# Altium PCB PCB_v1_premove.PcbDoc (part 1 of 4) (continued)
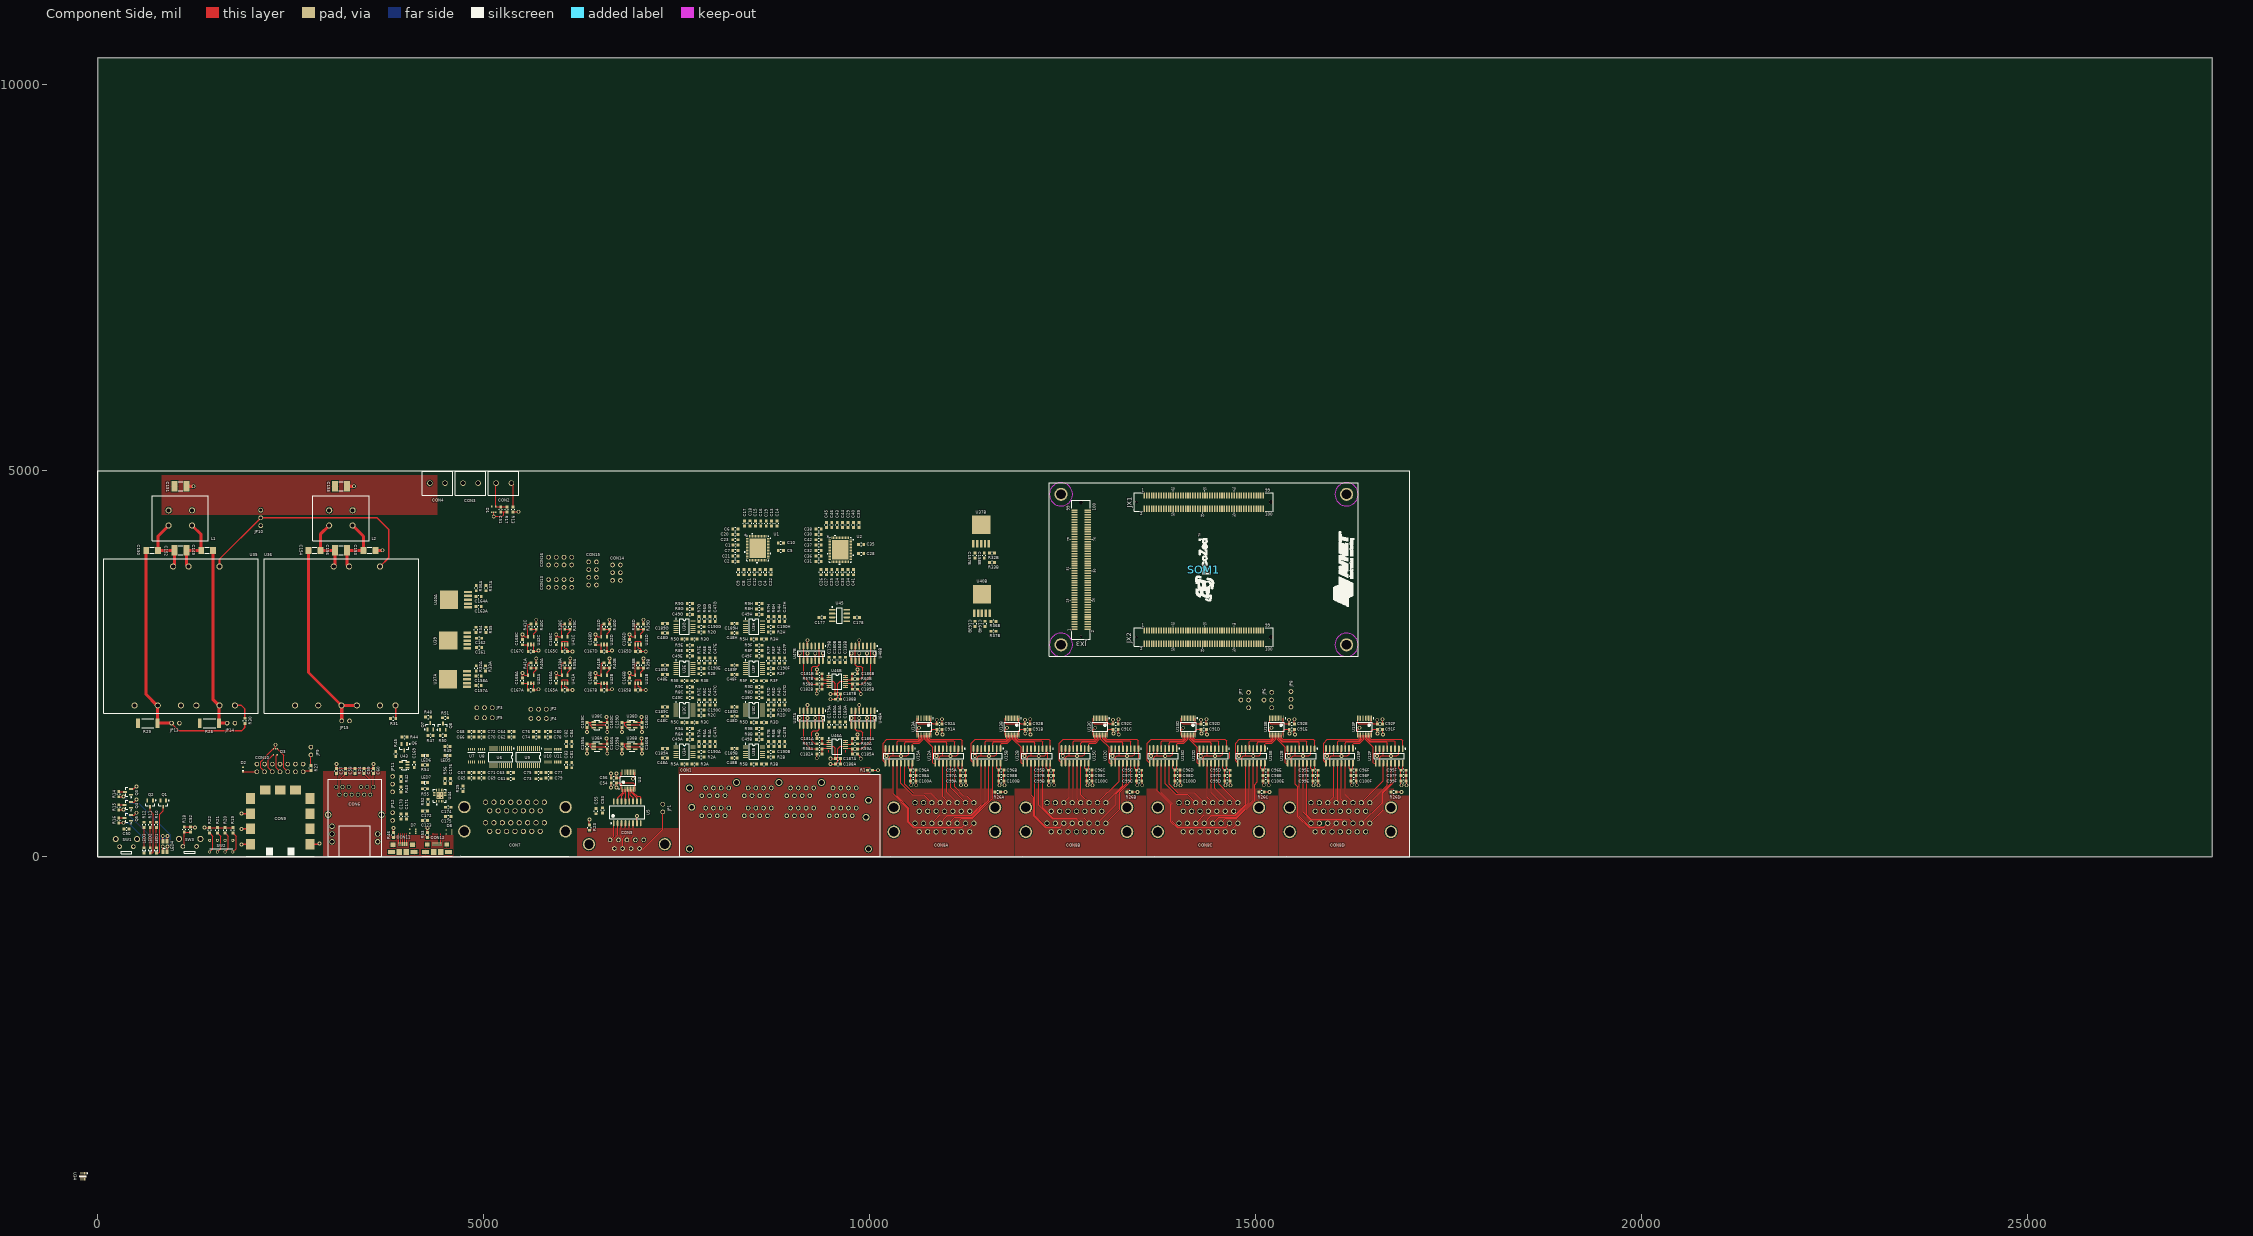
[diagram p0: Component Side view]
## Design rules (kind name [scope] priority, off if disabled: settings) (continued)
RoomDefinition AnalogSigCond1 [InComponentClass('AnalogSigCond1')] p52: confinementstyle=ConfineIn formatcopy=TRUE lockcomponents=FALSE outline 7200,1160 8100,1160 8100,1700 7200,1700
RoutingVias [All] p1: holewidth=28 width=50 viastyle="Through Hole" minholewidth=28 minwidth=50 maxholewidth=28 maxwidth=50
SolderMaskExpansion [All] p1: expansion=4
UnRoutedNet [All] p1: checkbadconnections=TRUE
Width [All] p1: maxlimit=40 minlimit=7 preferedwidth=10 minimp=50.000000 maximp=50.000000 favimp=50.000000
25 further rules are at their usual default settings.

## Classes and differential pairs
channel class Power_LDO_15V: U_Power_LDO_15V_A U_Power_LDO_15V_B U_Power_LDO_15V_C U_Power_LDO_15V_D
channel class Power_LDO_5V: U_Power_LDO_5V U_Power_LDO_5V_VIN_HDR
channel class Power_LDO_2V5: U_Power_LDO_2V5_A U_Power_LDO_2V5_B U_Power_LDO_2V5_C U_Power_LDO_2V5_D
channel class Power_LDO_1V8: U_Power_LDO_1V8 U_Power_LDO_1V8_VCCO
channel class LVHV8ChanTranslation: U_LVHV8ChanTranslation1 U_LVHV8ChanTranslation2 U_LVHV8ChanTranslation3 U_LVHV8ChanTranslation4 U_LVHV8ChanTranslation5 U_LVHV8ChanTranslation6
channel class InverterConnector: InverterConnector1AB InverterConnector2AB InverterConnector3AB InverterConnector4AB
channel class AnalogSigCond2: AnalogSigCond9_12 AnalogSigCond13_16
channel class AnalogSigCond1: AnalogSigCond1 AnalogSigCond2 AnalogSigCond3 AnalogSigCond4 AnalogSigCond5 AnalogSigCond6 AnalogSigCond7 AnalogSigCond8
channel class 8ChanDirTranslation: U_8ChanDirTranslation1 U_8ChanDirTranslation2 U_8ChanDirTranslation3 U_8ChanDirTranslation4
component class U_USB_UART: C172 C173 C174 C175 C176 CON12 D8 LED5 LED6 LED7 Q7 Q8 R47 R48 R49 R50 R51 R52 R53 R54 R55 R56 U44
component class U_USB_OTG: C169 C170 C171 CON11 D7 JP11 JP12 Q6 R42 R43 R44 R45 R46 U43
component class U_Power: C149 C150 C151 C152 C153 C154 C155 C156 CON13 CON14 CON15 CON16 JP10 JP13 JP14 JP15 L1 R28 R29 R30 R31 U34 U36
component class U_Power_REF_2V5: C177 C178 U45
component class U_Power_LDO_15V_D: C165D C166D C167D C168D R38D R39D R40D R41D U41D U42D
component class U_Power_LDO_15V_C: C165C C166C C167C C168C R38C R39C R40C R41C U41C U42C
component class U_Power_LDO_15V_B: C165B C166B C167B C168B R38B R39B R40B R41B U41B U42B
component class U_Power_LDO_15V_A: C165A C166A C167A C168A R38A R39A R40A R41A U41A U42A
component class U_Power_LDO_5V: C163A C164A R36A R37A U40A
component class U_Power_LDO_5V_VIN_HDR: C163B C164B R36B R37B U40B
component class U_Power_LDO_3V3: C161 C162 R34 R35 U39
component class U_Power_LDO_2V5_D: C159D C160D U38D
component class U_Power_LDO_2V5_C: C159C C160C U38C
component class U_Power_LDO_2V5_B: C159B C160B U38B
component class U_Power_LDO_2V5_A: C159A C160A U38A
component class U_Power_LDO_1V8: C157A C158A R32A R33A U37A
component class U_Power_LDO_1V8_VCCO: C157B C158B R32B R33B U37B
component class U_PicoZed: SOM1 T1
component class U_LVHV8ChanTranslation6: C91F C92F C95F C96F C97F C98F C99F C100F U12F U13F U15F
component class U_LVHV8ChanTranslation5: C91E C92E C95E C96E C97E C98E C99E C100E U12E U13E U15E
component class U_LVHV8ChanTranslation4: C91D C92D C95D C96D C97D C98D C99D C100D U12D U13D U15D
component class U_LVHV8ChanTranslation3: C91C C92C C95C C96C C97C C98C C99C C100C U12C U13C U15C
component class U_LVHV8ChanTranslation2: C91B C92B C95B C96B C97B C98B C99B C100B U12B U13B U15B
component class U_LVHV8ChanTranslation1: C91A C92A C95A C96A C97A C98A C99A C100A U12A U13A U15A
component class U_JTAG: CON9 CON10 D2 D3 JP9 R27
component class U_InverterTranslation: JP8
component class U_InverterConnectors: JP6 JP7
component class U_GPIO: C61 C62 C63 C64 C65 C66 C67 C68 C69 C70 C71 C72 C73 C74 C75 C76 C77 C78 C79 C80 C81 C82 C83 C84 CON7 JP2 JP3 JP4 JP5 R25 U6 U7 U8 U9 U10 U11
component class U_Gb_Ethernet: C57 C58 C59 C60 CON6 R24
component class U_Encoder: C53 C54 C55 C56 CON5 JP1 R23 U4 U5
component class U_BoardInterface: C50 C52 LED1 LED2 LED3 LED4 Q1 Q2 Q3 Q4 Q5 R10 R11 R12 R14 R15 R16 R18 R19 R20 R21 R22 SW1 SW2 SW3
component class U_AnalogConnectors: CON1 R1
component class U_AnalogADCs: C1 C2 C3 C4 C5 C6 C7 C8 C9 C10 C11 C12 C13 C14 C15 C16 C17 C18 C19 C20 C21 C22 C23 C24 C25 C26 C27 C28 C29 C30 C31 C32 C33 C34 C35 C36 C37 C38 C39 C40 C41 C42 C43 C44 C45 C46 U1 U2
component class U_8ChanDirTranslation4: C85D C86D C87D C88D U14D
component class U_8ChanDirTranslation3: C85C C86C C87C C88C U14C
component class U_8ChanDirTranslation2: C85B C86B C87B C88B U14B
component class U_8ChanDirTranslation1: C85A C86A C87A C88A U14A
component class InverterConnector4AB: CON8D R26D
component class InverterConnector3AB: CON8C R26C
component class InverterConnector2AB: CON8B R26B
component class InverterConnector1AB: R26A
component class AnalogSigCond13_16: C179B C180B C181B C182B C183B C184B C185B C186B C187B C188B R57B R58B R59B R60B U46B U47B U48B
component class AnalogSigCond9_12: C179A C180A C181A C182A C183A C184A C185A C186A C187A C188A R57A R58A R59A R60A U46A U47A U48A
component class AnalogSigCond8: C47H C48H C49H C189H C190H R2H R3H R4H R5H R6H R7H R8H R9H U3H
component class AnalogSigCond7: C47G C48G C49G C189G C190G R2G R3G R4G R5G R6G R7G R8G R9G U3G
component class AnalogSigCond6: C47F C48F C49F C189F C190F R2F R3F R4F R5F R6F R7F R8F R9F U3F
component class AnalogSigCond5: C47E C48E C49E C189E C190E R2E R3E R4E R5E R6E R7E R8E R9E U3E
component class AnalogSigCond4: C47D C48D C49D C189D C190D R2D R3D R4D R5D R6D R7D R8D R9D U3D
component class AnalogSigCond3: C47C C48C C49C C189C C190C R2C R3C R4C R5C R6C R7C R8C R9C U3C
component class AnalogSigCond2: C47B C48B C49B C189B C190B R2B R3B R4B R5B R6B R7B R8B R9B U3B
component class AnalogSigCond1: C47A C48A C49A C189A C190A R2A R3A R4A R5A R6A R7A R8A R9A U3A
differential pair USB_UART_D: +USB_UART_D_P -USB_UART_D_N
differential pair USB_OTG: +USB_OTG_P -USB_OTG_N
differential pair ETH_MD4: +ETH_MD4_P -ETH_MD4_N
differential pair ETH_MD3: +ETH_MD3_P -ETH_MD3_N
differential pair ETH_MD2: +ETH_MD2_P -ETH_MD2_N
differential pair ETH_MD1: +ETH_MD1_P -ETH_MD1_N

## Components (designator, comment, footprint, x,y, rotation, side; value= is the part's Value field where it differs from the comment)
C1 "Capacitor" 0603-CAP 8263.46,4036.54 r180 top value=100pF
C2 "Capacitor" 0603-CAP 8260,3826.54 r180 top value=100nF
C3 "Capacitor" 0603-CAP 8580,3686.54 r270 top value=10uF
C4 "Capacitor" 0603-CAP 8650,3686.54 r270 top value=0.1uF
C5 "Capacitor" 0603-CAP 8850,3966.54 r0 top value=0.1uF
C6 "Capacitor" 0603-CAP 8260,4246.54 r180 top value=100pF
C7 "Capacitor" 0603-CAP 8260,3966.54 r180 top value=100nF
C8 "Capacitor" 0603-CAP 8370,3686.54 r270 top value=10uF
C9 "Capacitor" 0603-CAP 8300,3686.54 r270 top value=0.1uF
C10 "Capacitor" 0603-CAP 8850,4066.54 r0 top value=0.1uF
C11 "Capacitor" 0603-CAP 8440,3686.54 r270 top value=100pF
C12 "Capacitor" 0603-CAP 8510,3686.54 r270 top value=100nF
C13 "Capacitor" 0603-CAP 8730,4316.54 r90 top value=10uF
C14 "Capacitor" 0603-CAP 8800,4316.54 r90 top value=0.1uF
C15 "Capacitor" 0603-CAP 8520,4316.54 r90 top value=100pF
C16 "Capacitor" 0603-CAP 8590,4316.54 r90 top value=100nF
C17 "Capacitor" 0603-CAP 8380,4316.54 r90 top value=10uF
C18 "Capacitor" 0603-CAP 8450,4320 r90 top value=0.1uF
C19 "Capacitor" 0603-CAP 8660,4316.54 r90 top value=10uF
C20 "Capacitor" 0603-CAP 8260,4176.54 r180 top value=10uF
C21 "Capacitor" 0603-CAP 8260,3896.54 r180 top value=10uF
C22 "Capacitor" 0603-CAP 8720,3686.54 r270 top value=10uF
C23 "Capacitor" 0603-CAP 8260,4106.54 r180 top value=1uF
C24 "Capacitor" 0603-CAP 9580,3686.54 r270 top value=100pF
C25 "Capacitor" 0603-CAP 9510,3686.54 r270 top value=100nF
C26 "Capacitor" 0603-CAP 9370,3686.54 r270 top value=10uF
C27 "Capacitor" 0603-CAP 9440,3686.54 r270 top value=0.1uF
C28 "Capacitor" 0603-CAP 9890,3926.54 r0 top value=0.1uF
C29 "Capacitor" 0603-CAP 9720,4296.54 r90 top value=10uF
C30 "Capacitor" 0603-CAP 9340,4176.54 r180 top value=10uF
C31 "Capacitor" 0603-CAP 9340,3826.54 r180 top value=100pF
C32 "Capacitor" 0603-CAP 9340,3966.54 r180 top value=100nF
C33 "Capacitor" 0603-CAP 9650,3686.54 r270 top value=10uF
C34 "Capacitor" 0603-CAP 9720,3686.54 r270 top value=0.1uF
C35 "Capacitor" 0603-CAP 9890,4046.54 r0 top value=0.1uF
C36 "Capacitor" 0603-CAP 9340,3896.55 r180 top value=10uF
C37 "Capacitor" 0603-CAP 9340,4036.54 r180 top value=100pF
C38 "Capacitor" 0603-CAP 9340,4246.54 r180 top value=100nF
C39 "Capacitor" 0603-CAP 9860,4296.54 r90 top value=10uF
C40 "Capacitor" 0603-CAP 9790,4296.54 r90 top value=0.1uF
C41 "Capacitor" 0603-CAP 9790,3686.54 r270 top value=10uF
C42 "Capacitor" 0603-CAP 9340,4106.54 r180 top value=1uF
C43 "Capacitor" 0603-CAP 9580,4296.54 r90 top value=100pF
C44 "Capacitor" 0603-CAP 9650,4296.54 r90 top value=100nF
C45 "Capacitor" 0603-CAP 9440,4296.54 r90 top value=10uF
C46 "Capacitor" 0603-CAP 9510,4296.54 r90 top value=0.1uF
C47A "Capacitor" 0603-CAP 8000,1460 r270 top value=1nF (schematic designator C47)
C47B "Capacitor" 0603-CAP 8900,1460 r270 top value=1nF (schematic designator C47)
C47C "Capacitor" 0603-CAP 8000,2000 r270 top value=1nF (schematic designator C47)
C47D "Capacitor" 0603-CAP 8900,2000 r270 top value=1nF (schematic designator C47)
C47E "Capacitor" 0603-CAP 8000,2540 r270 top value=1nF (schematic designator C47)
C47F "Capacitor" 0603-CAP 8900,2540 r270 top value=1nF (schematic designator C47)
C47G "Capacitor" 0603-CAP 8000,3080 r270 top value=1nF (schematic designator C47)
C47H "Capacitor" 0603-CAP 8900,3080 r270 top value=1nF (schematic designator C47)
C48A "Capacitor" 0603-CAP 7350,1280 r0 top value=32nF (schematic designator C48)
C48B "Capacitor" 0603-CAP 8250,1280 r0 top value=32nF (schematic designator C48)
C48C "Capacitor" 0603-CAP 7350,1820 r0 top value=32nF (schematic designator C48)
C48D "Capacitor" 0603-CAP 8250,1820 r0 top value=32nF (schematic designator C48)
C48E "Capacitor" 0603-CAP 7350,2360 r0 top value=32nF (schematic designator C48)
C48F "Capacitor" 0603-CAP 8250,2360 r0 top value=32nF (schematic designator C48)
C48G "Capacitor" 0603-CAP 7350,2900 r0 top value=32nF (schematic designator C48)
C48H "Capacitor" 0603-CAP 8250,2900 r0 top value=32nF (schematic designator C48)
C49A "Capacitor" 0603-CAP 7670,1520 r0 top value=1nF (schematic designator C49)
C49B "Capacitor" 0603-CAP 8570,1520 r0 top value=1nF (schematic designator C49)
C49C "Capacitor" 0603-CAP 7670,2060 r0 top value=1nF (schematic designator C49)
C49D "Capacitor" 0603-CAP 8570,2060 r0 top value=1nF (schematic designator C49)
C49E "Capacitor" 0603-CAP 7670,2600 r0 top value=1nF (schematic designator C49)
C49F "Capacitor" 0603-CAP 8570,2600 r0 top value=1nF (schematic designator C49)
C49G "Capacitor" 0603-CAP 7670,3140 r0 top value=1nF (schematic designator C49)
C49H "Capacitor" 0603-CAP 8570,3140 r0 top value=1nF (schematic designator C49)
C50 "Capacitor" 0603-CAP 370,360 r180 top value=100nF
C51 "Capacitor" 0603-CAP 5220,4500 r90 top value=100nF
C52 "Capacitor" 0603-CAP 1198.66,352.6 r270 top value=100nF
C53 "Capacitor" 0603-CAP 6540,600 r270 top value=1uF
C54 "Capacitor" 0603-CAP 6685,955 r180 top value=100nF
C55 "Capacitor" 0603-CAP 6455,590 r270 top value=100nF
C56 "Capacitor" 0603-CAP 6685,1020 r180 top value=100nF
C57 "Capacitor" 0603-CAP 3090,1110 r270 top value=0.1uF
C58 "Capacitor" 0603-CAP 3210,1110 r270 top value=0.1uF
C59 "Capacitor" 0603-CAP 3450,1110 r270 top value=0.1uF
C60 "Capacitor" 0603-CAP 3570,1110 r270 top value=0.1uF
C61 "Capacitor" 0603-CAP 5350,1010 r180 top value=1uF
C62 "Capacitor" 0603-CAP 5360,1550 r180 top value=1uF
C63 "Capacitor" 0603-CAP 5350,1090 r180 top value=100nF
C64 "Capacitor" 0603-CAP 5360,1620 r180 top value=100nF
C65 "Capacitor" 0603-CAP 4840,1020 r180 top value=1uF
C66 "Capacitor" 0603-CAP 4840,1550 r180 top value=1uF
C67 "Capacitor" 0603-CAP 4840,1090 r180 top value=100nF
C68 "Capacitor" 0603-CAP 4840,1620 r180 top value=100nF
C69 "Capacitor" 0603-CAP 4970,1020 r180 top value=1uF
C70 "Capacitor" 0603-CAP 4970,1550 r180 top value=1uF
C71 "Capacitor" 0603-CAP 4970,1090 r180 top value=100nF
C72 "Capacitor" 0603-CAP 4970,1620 r180 top value=100nF
C73 "Capacitor" 0603-CAP 5710,1010 r180 top value=1uF
C74 "Capacitor" 0603-CAP 5680,1550 r180 top value=1uF
C75 "Capacitor" 0603-CAP 5710,1090 r180 top value=100nF
C76 "Capacitor" 0603-CAP 5680,1620 r180 top value=100nF
C77 "Capacitor" 0603-CAP 5840,1090 r180 top value=1uF
C78 "Capacitor" 0603-CAP 5830,1550 r180 top value=1uF
C79 "Capacitor" 0603-CAP 5840,1020 r180 top value=100nF
C80 "Capacitor" 0603-CAP 5830,1620 r180 top value=100nF
C81 "Capacitor" 0603-CAP 6140,1186.54 r270 top value=1uF
C82 "Capacitor" 0603-CAP 6070,1460 r90 top value=1uF
C83 "Capacitor" 0603-CAP 6070,1190 r270 top value=100nF
C84 "Capacitor" 0603-CAP 6140,1460 r90 top value=100nF
C85A "Capacitor" 0603-CAP 14360,2340 r180 bottom value=1uF (schematic designator C85)
C85B "Capacitor" 0603-CAP 13790,2340 r180 bottom value=1uF (schematic designator C85)
C85C "Capacitor" 0603-CAP 13220,2340 r180 bottom value=1uF (schematic designator C85)
C85D "Capacitor" 0603-CAP 12650,2340 r180 bottom value=1uF (schematic designator C85)
C86A "Capacitor" 0603-CAP 14370,1940 r180 bottom value=1uF (schematic designator C86)
C86B "Capacitor" 0603-CAP 13800,1940 r180 bottom value=1uF (schematic designator C86)
C86C "Capacitor" 0603-CAP 13230,1940 r180 bottom value=1uF (schematic designator C86)
C86D "Capacitor" 0603-CAP 12660,1940 r180 bottom value=1uF (schematic designator C86)
C87A "Capacitor" 0603-CAP 14360,2410 r180 bottom value=100nF (schematic designator C87)
C87B "Capacitor" 0603-CAP 13790,2410 r180 bottom value=100nF (schematic designator C87)
C87C "Capacitor" 0603-CAP 13220,2410 r180 bottom value=100nF (schematic designator C87)
C87D "Capacitor" 0603-CAP 12650,2410 r180 bottom value=100nF (schematic designator C87)
C88A "Capacitor" 0603-CAP 14370,1860 r180 bottom value=100nF (schematic designator C88)
C88B "Capacitor" 0603-CAP 13800,1860 r180 bottom value=100nF (schematic designator C88)
C88C "Capacitor" 0603-CAP 13230,1860 r180 bottom value=100nF (schematic designator C88)
C88D "Capacitor" 0603-CAP 12660,1860 r180 bottom value=100nF (schematic designator C88)
C91A "Capacitor" 0603-CAP 10905,1650 r0 top value=100nF (schematic designator C91)
C91B "Capacitor" 0603-CAP 12046.54,1650 r0 top value=100nF (schematic designator C91)
C91C "Capacitor" 0603-CAP 13188.07,1650 r0 top value=100nF (schematic designator C91)
C91D "Capacitor" 0603-CAP 14329.61,1650 r0 top value=100nF (schematic designator C91)
C91E "Capacitor" 0603-CAP 15471.14,1650 r0 top value=100nF (schematic designator C91)
C91F "Capacitor" 0603-CAP 16612.68,1650 r0 top value=100nF (schematic designator C91)
C92A "Capacitor" 0603-CAP 10905,1720 r0 top value=100nF (schematic designator C92)
C92B "Capacitor" 0603-CAP 12046.54,1720 r0 top value=100nF (schematic designator C92)
C92C "Capacitor" 0603-CAP 13188.07,1720 r0 top value=100nF (schematic designator C92)
C92D "Capacitor" 0603-CAP 14329.61,1720 r0 top value=100nF (schematic designator C92)
C92E "Capacitor" 0603-CAP 15471.14,1720 r0 top value=100nF (schematic designator C92)
C92F "Capacitor" 0603-CAP 16612.68,1720 r0 top value=100nF (schematic designator C92)
C95A "Capacitor" 0603-CAP 11210,1120 r0 top value=1uF (schematic designator C95)
C95B "Capacitor" 0603-CAP 12351.54,1120 r0 top value=1uF (schematic designator C95)
C95C "Capacitor" 0603-CAP 13493.07,1120 r0 top value=1uF (schematic designator C95)
C95D "Capacitor" 0603-CAP 14634.61,1120 r0 top value=1uF (schematic designator C95)
C95E "Capacitor" 0603-CAP 15776.14,1120 r0 top value=1uF (schematic designator C95)
C95F "Capacitor" 0603-CAP 16917.68,1120 r0 top value=1uF (schematic designator C95)
C96A "Capacitor" 0603-CAP 10565,1121.02 r0 top value=1uF (schematic designator C96)
C96B "Capacitor" 0603-CAP 11706.54,1121.02 r0 top value=1uF (schematic designator C96)
C96C "Capacitor" 0603-CAP 12848.07,1121.02 r0 top value=1uF (schematic designator C96)
C96D "Capacitor" 0603-CAP 13989.61,1121.02 r0 top value=1uF (schematic designator C96)
C96E "Capacitor" 0603-CAP 15131.14,1121.02 r0 top value=1uF (schematic designator C96)
C96F "Capacitor" 0603-CAP 16272.68,1121.02 r0 top value=1uF (schematic designator C96)
C97A "Capacitor" 0603-CAP 11210,1050 r0 top value=100nF (schematic designator C97)
C97B "Capacitor" 0603-CAP 12351.54,1050 r0 top value=100nF (schematic designator C97)
C97C "Capacitor" 0603-CAP 13493.07,1050 r0 top value=100nF (schematic designator C97)
C97D "Capacitor" 0603-CAP 14634.61,1050 r0 top value=100nF (schematic designator C97)
C97E "Capacitor" 0603-CAP 15776.14,1050 r0 top value=100nF (schematic designator C97)
C97F "Capacitor" 0603-CAP 16917.68,1050 r0 top value=100nF (schematic designator C97)
C98A "Capacitor" 0603-CAP 10565,1051.02 r0 top value=100nF (schematic designator C98)
C98B "Capacitor" 0603-CAP 11706.54,1051.02 r0 top value=100nF (schematic designator C98)
C98C "Capacitor" 0603-CAP 12848.07,1051.02 r0 top value=100nF (schematic designator C98)
C98D "Capacitor" 0603-CAP 13989.61,1051.02 r0 top value=100nF (schematic designator C98)
C98E "Capacitor" 0603-CAP 15131.14,1051.02 r0 top value=100nF (schematic designator C98)
C98F "Capacitor" 0603-CAP 16272.68,1051.02 r0 top value=100nF (schematic designator C98)
C99A "Capacitor" 0603-CAP 11210,980 r0 top value=100nF (schematic designator C99)
C99B "Capacitor" 0603-CAP 12351.54,980 r0 top value=100nF (schematic designator C99)
C99C "Capacitor" 0603-CAP 13493.07,980 r0 top value=100nF (schematic designator C99)
C99D "Capacitor" 0603-CAP 14634.61,980 r0 top value=100nF (schematic designator C99)
C99E "Capacitor" 0603-CAP 15776.14,980 r0 top value=100nF (schematic designator C99)
C99F "Capacitor" 0603-CAP 16917.68,980 r0 top value=100nF (schematic designator C99)
C100A "Capacitor" 0603-CAP 10565,981.02 r0 top value=100nF (schematic designator C100)
C100B "Capacitor" 0603-CAP 11706.54,981.02 r0 top value=100nF (schematic designator C100)
C100C "Capacitor" 0603-CAP 12848.07,981.02 r0 top value=100nF (schematic designator C100)
C100D "Capacitor" 0603-CAP 13989.61,981.02 r0 top value=100nF (schematic designator C100)
C100E "Capacitor" 0603-CAP 15131.14,981.02 r0 top value=100nF (schematic designator C100)
C100F "Capacitor" 0603-CAP 16272.68,981.02 r0 top value=100nF (schematic designator C100)
C149 "Capacitor" 1808-CAP 1415.71,3969.99 r0 top value=1000pF
C150 "Capacitor" 1808-CAP 703.19,3969.99 r180 top value=1000pF
C151 "Capacitor" 1812-CAP 1069.17,4799.99 r180 top value=6.8uF
C152 "Capacitor" 1812-CAP 1069.17,3969.99 r180 top value=6.8uF
C153 "Capacitor" 1808-CAP 3519.17,3969.99 r0 top value=1000pF
C154 "Capacitor" 1808-CAP 2805.71,3969.99 r180 top value=1000pF
C155 "Capacitor" 1812-CAP 3149.17,4799.99 r180 top value=6.8uF
C156 "Capacitor" 1812-CAP 3149.17,3969.99 r180 top value=6.8uF
C157A "Capacitor" 0603-CAP 4933.46,2220 r0 top value=10uF (schematic designator C157)
C157B "Capacitor" 0603-CAP 11365,3903.94 r270 top value=10uF (schematic designator C157)
C158A "Capacitor" 0603-CAP 4933.46,2340 r0 top value=47uF (schematic designator C158)
C158B "Capacitor" 0603-CAP 11485,3903.94 r270 top value=47uF (schematic designator C158)
C159A "Capacitor" 0603-CAP 6340,1427.4 r270 top value=1uF (schematic designator C159)
C159B "Capacitor" 0603-CAP 6790,1427.4 r270 top value=1uF (schematic designator C159)
C159C "Capacitor" 0603-CAP 6340,1707.4 r270 top value=1uF (schematic designator C159)
C159D "Capacitor" 0603-CAP 6790,1707.4 r270 top value=1uF (schematic designator C159)
C160A "Capacitor" 0603-CAP 6600,1427.4 r270 top value=1uF (schematic designator C160)
C160B "Capacitor" 0603-CAP 7050,1427.4 r270 top value=1uF (schematic designator C160)
C160C "Capacitor" 0603-CAP 6600,1707.4 r270 top value=1uF (schematic designator C160)
C160D "Capacitor" 0603-CAP 7050,1707.4 r270 top value=1uF (schematic designator C160)
C161 "Capacitor" 0603-CAP 4940,2710 r0 top value=10uF
C162 "Capacitor" 0603-CAP 4940,2830 r0 top value=47uF
C163A "Capacitor" 0603-CAP 4933.46,3240 r0 top value=10uF (schematic designator C163)
C163B "Capacitor" 0603-CAP 11365,3017.6 r270 top value=10uF (schematic designator C163)
C164A "Capacitor" 0603-CAP 4933.46,3370 r0 top value=47uF (schematic designator C164)
C164B "Capacitor" 0603-CAP 11495,3017.6 r270 top value=47uF (schematic designator C164)
C165A "Capacitor" 0603-CAP 6050,2160 r180 top value=2.2uF (schematic designator C165)
C165B "Capacitor" 0603-CAP 7000,2160 r180 top value=2.2uF (schematic designator C165)
C165C "Capacitor" 0603-CAP 6050,2660 r180 top value=2.2uF (schematic designator C165)
C165D "Capacitor" 0603-CAP 7000,2660 r180 top value=2.2uF (schematic designator C165)
C166A "Capacitor" 0603-CAP 5940,2280 r90 top value=2.2uF (schematic designator C166)
C166B "Capacitor" 0603-CAP 6890,2280 r90 top value=2.2uF (schematic designator C166)
C166C "Capacitor" 0603-CAP 5940,2780 r90 top value=2.2uF (schematic designator C166)
C166D "Capacitor" 0603-CAP 6890,2780 r90 top value=2.2uF (schematic designator C166)
C167A "Capacitor" 0603-CAP 5610,2160 r180 top value=2.2uF (schematic designator C167)
C167B "Capacitor" 0603-CAP 6560,2160 r180 top value=2.2uF (schematic designator C167)
C167C "Capacitor" 0603-CAP 5610,2660 r180 top value=2.2uF (schematic designator C167)
C167D "Capacitor" 0603-CAP 6560,2660 r180 top value=2.2uF (schematic designator C167)
C168A "Capacitor" 0603-CAP 5500,2280 r270 top value=2.2uF (schematic designator C168)
C168B "Capacitor" 0603-CAP 6450,2280 r270 top value=2.2uF (schematic designator C168)
C168C "Capacitor" 0603-CAP 5500,2780 r270 top value=2.2uF (schematic designator C168)
C168D "Capacitor" 0603-CAP 6450,2780 r270 top value=2.2uF (schematic designator C168)
C169 "Capacitor" 0603-CAP 4100,1190 r270 top value=2.2uF
C170 "Capacitor" 0603-CAP 3930,520 r270 top value=100uF
C171 "Capacitor" 0603-CAP 4000,520 r270 top value=22uF
C172 "Capacitor" 0603-CAP 4240,590 r180 top value=0.1uF
C173 "Capacitor" 0603-CAP 4240,470 r180 top value=4.7uF
C174 "Capacitor" 0603-CAP 4540,640 r180 top value=0.1uF
C175 "Capacitor" 0603-CAP 4540,520 r180 top value=4.7uF
C176 "Capacitor" 0603-CAP 4570,980 r270 top value=0.1uF
C177 "Capacitor" 0603-CAP 9380,3100 r180 top value=1uF
C178 "Capacitor" 0603-CAP 9836.54,3100 r0 top value=2.2uF
C179A "Capacitor" 0603-CAP 9475,1710 r90 top value=1uF (schematic designator C179)
C179B "Capacitor" 0603-CAP 9475,2550 r90 top value=1uF (schematic designator C179)
C180A "Capacitor" 0603-CAP 9545,1710 r90 top value=1uF (schematic designator C180)
C180B "Capacitor" 0603-CAP 9545,2550 r90 top value=1uF (schematic designator C180)
C181A "Capacitor" 0603-CAP 9350,1530 r0 top value=32nF (schematic designator C181)
C181B "Capacitor" 0603-CAP 9350,2370 r0 top value=32nF (schematic designator C181)
C182A "Capacitor" 0603-CAP 9350,1330 r180 top value=32nF (schematic designator C182)
C182B "Capacitor" 0603-CAP 9350,2170 r180 top value=32nF (schematic designator C182)
C183A "Capacitor" 0603-CAP 9685,1710 r90 top value=1uF (schematic designator C183)
C183B "Capacitor" 0603-CAP 9685,2550 r90 top value=1uF (schematic designator C183)
C184A "Capacitor" 0603-CAP 9615,1710 r90 top value=1uF (schematic designator C184)
C184B "Capacitor" 0603-CAP 9615,2550 r90 top value=1uF (schematic designator C184)
C185A "Capacitor" 0603-CAP 9810,1330 r180 top value=32nF (schematic designator C185)
C185B "Capacitor" 0603-CAP 9810,2170 r180 top value=32nF (schematic designator C185)
C186A "Capacitor" 0603-CAP 9810,1530 r0 top value=32nF (schematic designator C186)
C186B "Capacitor" 0603-CAP 9810,2370 r0 top value=32nF (schematic designator C186)
C187A "Capacitor" 0603-CAP 9590,1270 r0 top value=1uF (schematic designator C187)
C187B "Capacitor" 0603-CAP 9590,2110 r0 top value=1uF (schematic designator C187)
C188A "Capacitor" 0603-CAP 9590,1200 r0 top value=1uF (schematic designator C188)
C188B "Capacitor" 0603-CAP 9590,2040 r0 top value=1uF (schematic designator C188)
C189A "Capacitor" 0603-CAP 7350,1400 r180 top value=1uF (schematic designator C189)
C189B "Capacitor" 0603-CAP 8250,1400 r180 top value=1uF (schematic designator C189)
C189C "Capacitor" 0603-CAP 7350,1940 r180 top value=1uF (schematic designator C189)
C189D "Capacitor" 0603-CAP 8250,1940 r180 top value=1uF (schematic designator C189)
C189E "Capacitor" 0603-CAP 7350,2480 r180 top value=1uF (schematic designator C189)
C189F "Capacitor" 0603-CAP 8250,2480 r180 top value=1uF (schematic designator C189)
C189G "Capacitor" 0603-CAP 7350,3020 r180 top value=1uF (schematic designator C189)
C189H "Capacitor" 0603-CAP 8250,3020 r180 top value=1uF (schematic designator C189)
C190A "Capacitor" 0603-CAP 7820,1360 r0 top value=1uF (schematic designator C190)
C190B "Capacitor" 0603-CAP 8720,1360 r0 top value=1uF (schematic designator C190)
C190C "Capacitor" 0603-CAP 7820,1900 r0 top value=1uF (schematic designator C190)
C190D "Capacitor" 0603-CAP 8720,1900 r0 top value=1uF (schematic designator C190)
C190E "Capacitor" 0603-CAP 7820,2440 r0 top value=1uF (schematic designator C190)
C190F "Capacitor" 0603-CAP 8720,2440 r0 top value=1uF (schematic designator C190)
C190G "Capacitor" 0603-CAP 7820,2980 r0 top value=1uF (schematic designator C190)
C190H "Capacitor" 0603-CAP 8720,2980 r0 top value=1uF (schematic designator C190)
CON1 "5569257-1" 5569257-1 7775.83,280.59 r0 top
CON2 "ScrewTerminal_1x2" 1935161 5258.43,4840 r0 top
CON3 "ScrewTerminal_1x2" 1935161 4830,4840 r180 top
CON4 "ScrewTerminal_1x2" 1935161 4400,4840 r0 top
CON5 "A-DF 09 A/KG-T2S" "A-DF 09 A/KG-T2S" 6855,161.73 r0 top
CON6 "L829-1J1T-43" L829-1J1T-43 3330,803.46 r180 top
CON7 "178-015-513R571" 178-015-513R571 5404.5,706 r0 top
CON8A "178-015-513R571" 178-015-513R571 10970,700 r0 top (schematic designator CON8)
CON8B "178-015-513R571" 178-015-513R571 12680,700 r0 top (schematic designator CON8)
CON8C "178-015-513R571" 178-015-513R571 14390,700 r0 top (schematic designator CON8)
CON8D "178-015-513R571" 178-015-513R571 16100,700 r0 top (schematic designator CON8)
CON9 "JTAG-SMT2" JTAG-SMT2 2747.72,458.43 r90 top
CON10 "JTAG" PIN_HEADER_2x7 2360,1200 r0 top
CON11 "1981584-1" 1981584-1 3951.69,164.37 r0 top
CON12 "1981584-1" 1981584-1 4394.72,165.31 r0 top
CON13 "PIN_2x4" PIN_HEADER_2x4 5990,3540 r0 top
CON14 "PIN_2x3" PIN_HEADER_2x3 6720,3680 r90 top
CON15 "PIN_2x4" PIN_HEADER_2x4 6410,3670 r90 top
CON16 "PIN_2x4" PIN_HEADER_2x4 5990,3830 r180 top
D1 "SP1001-04JTG" SC70-5 5130,4500 r0 top
D2 "RB521" SOD-523 1880,1130 r270 top
D3 "SP1001-04JTG" SC70-5 2300,1360 r180 top
D7 "SP1001-04JTG" SC70-5 4080,330 r90 top
D8 "SP1001-04JTG" SC70-5 4550,320 r90 top
JP1 "Jumper2" PIN_HEADER_1x2 7320,630 r270 top
JP2 "Jumper3" PIN_HEADER_1X3 5710,1910 r180 top
JP3 "Jumper3" PIN_HEADER_1X3 5010,1930 r0 top
JP4 "Jumper3" PIN_HEADER_1X3 5710,1790 r0 top
JP5 "Jumper3" PIN_HEADER_1X3 5010,1800 r0 top
JP6 "Jumper4T" PIN_HEADER_1X3T 15210,2030 r90 top
JP7 "Jumper4T" PIN_HEADER_1X3T 14910,2030 r90 top
JP8 "Jumper3" PIN_HEADER_1X3 15460,2040 r90 top
JP9 "Jumper2" PIN_HEADER_1x2 2760,1370 r270 top
JP10 "Jumper3" PIN_HEADER_1X3 2110,4390 r270 top
JP11 "Jumper3" PIN_HEADER_1X3 3820,940 r270 top
JP12 "Jumper2" PIN_HEADER_1x2 3820,520 r270 top
JP13 "Jumper2" PIN_HEADER_1x2 1005.71,1730 r180 top
JP14 "Jumper2" PIN_HEADER_1x2 1725.71,1730 r0 top
JP15 "Jumper2" PIN_HEADER_1x2 3210,1760 r0 top
L1 "7448227005" 7448227005 1069.17,4390 r0 top
L2 "7448227005" 7448227005 3149.17,4390 r0 top
LED1 "LED" 0603-LED 758.66,82.6 r90 top
LED2 "LED" 0603-LED 678.66,82.6 r90 top
LED3 "LED" 0603-LED 598.66,82.6 r90 top
LED4 "LED_RGB_CA" 1210-LED-RGB-CA 870,130 r180 top
LED5 "LED" 0603-LED 4530,1310 r0 top
LED6 "LED" 0603-LED 4240,1310 r0 top
LED7 "LED" 0603-LED 4240,960 r0 top
Q1 "MOSFET" SOT95P250-3N 847.4,688.66 r270 top
Q2 "MOSFET" SOT95P250-3N 677.4,688.66 r270 top
Q3 "MOSFET" SOT95P250-3N 390,840 r180 top
Q4 "MOSFET" SOT95P250-3N 388.66,671.01 r180 top
Q5 "MOSFET" SOT95P250-3N 388.66,502.6 r180 top
Q6 "MOSFET" SOT95P250-3N 3970,1420 r270 top
Q7 "MOSFET" SOT95P250-3N 4307.4,1691.34 r90 top
Q8 "MOSFET" SOT95P250-3N 4470,1686.25 r90 top
R1 "Resistor" 0603-RES 10005,1120 r180 top value=0
R2A "Resistor" 0603-RES 7820,1290 r180 top value=16k (schematic designator R2)
R2B "Resistor" 0603-RES 8720,1290 r180 top value=16k (schematic designator R2)
R2C "Resistor" 0603-RES 7820,1830 r180 top value=16k (schematic designator R2)
R2D "Resistor" 0603-RES 8720,1830 r180 top value=16k (schematic designator R2)
R2E "Resistor" 0603-RES 7820,2370 r180 top value=16k (schematic designator R2)
R2F "Resistor" 0603-RES 8720,2370 r180 top value=16k (schematic designator R2)
R2G "Resistor" 0603-RES 7820,2910 r180 top value=16k (schematic designator R2)
R2H "Resistor" 0603-RES 8720,2910 r180 top value=16k (schematic designator R2)
R3A "Resistor" 0603-RES 7730,1200 r180 top value=1k (schematic designator R3)
R3B "Resistor" 0603-RES 8630,1200 r180 top value=1k (schematic designator R3)
R3C "Resistor" 0603-RES 7730,1740 r180 top value=1k (schematic designator R3)
R3D "Resistor" 0603-RES 8630,1740 r180 top value=1k (schematic designator R3)
R3E "Resistor" 0603-RES 7730,2280 r180 top value=1k (schematic designator R3)
R3F "Resistor" 0603-RES 8630,2280 r180 top value=1k (schematic designator R3)
R3G "Resistor" 0603-RES 7730,2820 r180 top value=1k (schematic designator R3)
R3H "Resistor" 0603-RES 8630,2820 r180 top value=1k (schematic designator R3)
R4A "Resistor" 0603-RES 7930,1460 r270 top value=1k (schematic designator R4)
R4B "Resistor" 0603-RES 8830,1460 r270 top value=1k (schematic designator R4)
R4C "Resistor" 0603-RES 7930,2000 r270 top value=1k (schematic designator R4)
R4D "Resistor" 0603-RES 8830,2000 r270 top value=1k (schematic designator R4)
R4E "Resistor" 0603-RES 7930,2540 r270 top value=1k (schematic designator R4)
R4F "Resistor" 0603-RES 8830,2540 r270 top value=1k (schematic designator R4)
R4G "Resistor" 0603-RES 7930,3080 r270 top value=1k (schematic designator R4)
R4H "Resistor" 0603-RES 8830,3080 r270 top value=1k (schematic designator R4)
R5A "Resistor" 0603-RES 7600,1200 r180 top value=100 (schematic designator R5)
R5B "Resistor" 0603-RES 8500,1200 r180 top value=100 (schematic designator R5)
R5C "Resistor" 0603-RES 7600,1740 r180 top value=100 (schematic designator R5)
R5D "Resistor" 0603-RES 8500,1740 r180 top value=100 (schematic designator R5)
R5E "Resistor" 0603-RES 7600,2280 r180 top value=100 (schematic designator R5)
R5F "Resistor" 0603-RES 8500,2280 r180 top value=100 (schematic designator R5)
R5G "Resistor" 0603-RES 7600,2820 r180 top value=100 (schematic designator R5)
R5H "Resistor" 0603-RES 8500,2820 r180 top value=100 (schematic designator R5)
R6A "Resistor" 0603-RES 7860,1460 r90 top value=2k (schematic designator R6)
R6B "Resistor" 0603-RES 8760,1460 r90 top value=2k (schematic designator R6)
R6C "Resistor" 0603-RES 7860,2000 r90 top value=2k (schematic designator R6)
R6D "Resistor" 0603-RES 8760,2000 r90 top value=2k (schematic designator R6)
R6E "Resistor" 0603-RES 7860,2540 r90 top value=2k (schematic designator R6)
R6F "Resistor" 0603-RES 8760,2540 r90 top value=2k (schematic designator R6)
R6G "Resistor" 0603-RES 7860,3080 r90 top value=2k (schematic designator R6)
R6H "Resistor" 0603-RES 8760,3080 r90 top value=2k (schematic designator R6)
R7A "Resistor" 0603-RES 7790,1460 r90 top value=1k (schematic designator R7)
R7B "Resistor" 0603-RES 8690,1460 r90 top value=1k (schematic designator R7)
R7C "Resistor" 0603-RES 7790,2000 r90 top value=1k (schematic designator R7)
R7D "Resistor" 0603-RES 8690,2000 r90 top value=1k (schematic designator R7)
R7E "Resistor" 0603-RES 7790,2540 r90 top value=1k (schematic designator R7)
R7F "Resistor" 0603-RES 8690,2540 r90 top value=1k (schematic designator R7)
R7G "Resistor" 0603-RES 7790,3080 r90 top value=1k (schematic designator R7)
R7H "Resistor" 0603-RES 8690,3080 r90 top value=1k (schematic designator R7)
R8A "Resistor" 0603-RES 7670,1590 r180 top value=16k (schematic designator R8)
R8B "Resistor" 0603-RES 8570,1590 r180 top value=16k (schematic designator R8)
R8C "Resistor" 0603-RES 7670,2130 r180 top value=16k (schematic designator R8)
R8D "Resistor" 0603-RES 8570,2130 r180 top value=16k (schematic designator R8)
R8E "Resistor" 0603-RES 7670,2670 r180 top value=16k (schematic designator R8)
R8F "Resistor" 0603-RES 8570,2670 r180 top value=16k (schematic designator R8)
R8G "Resistor" 0603-RES 7670,3210 r180 top value=16k (schematic designator R8)
R8H "Resistor" 0603-RES 8570,3210 r180 top value=16k (schematic designator R8)
R9A "Resistor" 0603-RES 7670,1660 r0 top value=1k (schematic designator R9)
R9B "Resistor" 0603-RES 8570,1660 r0 top value=1k (schematic designator R9)
R9C "Resistor" 0603-RES 7670,2200 r0 top value=1k (schematic designator R9)
R9D "Resistor" 0603-RES 8570,2200 r0 top value=1k (schematic designator R9)
R9E "Resistor" 0603-RES 7670,2740 r0 top value=1k (schematic designator R9)
R9F "Resistor" 0603-RES 8570,2740 r0 top value=1k (schematic designator R9)
R9G "Resistor" 0603-RES 7670,3280 r0 top value=1k (schematic designator R9)
R9H "Resistor" 0603-RES 8570,3280 r0 top value=1k (schematic designator R9)
R10 "Resistor" 0603-RES 758.66,412.6 r90 top value=240
R11 "Resistor" 0603-RES 678.66,412.6 r90 top value=240
R12 "Resistor" 0603-RES 598.66,412.6 r90 top value=715
R13 "Resistor" 0603-RES 5380,4500 r90 top value=100
R14 "Resistor" 0603-RES 270,810 r270 top value=240
R15 "Resistor" 0603-RES 270,640 r270 top value=240
R16 "Resistor" 0603-RES 270,470 r270 top value=240
R17 "Resistor" 0603-RES 5300,4500 r90 top value=10k
R18 "Resistor" 0603-RES 1118.66,352.6 r270 top value=10k
R19 "Resistor" 0603-RES 1748.66,342.6 r270 top value=10k
R20 "Resistor" 0603-RES 1648.66,342.6 r270 top value=10k
R21 "Resistor" 0603-RES 1548.66,342.6 r270 top value=10k
R22 "Resistor" 0603-RES 1448.66,342.6 r270 top value=10k
R23 "Resistor" 0603-RES 6370,376.54 r90 top value=0
R24 "Resistor" 0603-RES 3330,1110 r270 top value=0
R25 "Resistor" 0603-RES 4730,880 r90 top value=0
R26A "Resistor" 0603-RES 11660,840 r180 top value=0 (schematic designator R26)
R26B "Resistor" 0603-RES 13370,840 r180 top value=0 (schematic designator R26)
R26C "Resistor" 0603-RES 15080,840 r180 top value=0 (schematic designator R26)
R26D "Resistor" 0603-RES 16790,840 r180 top value=0 (schematic designator R26)
R27 "Resistor" 0603-RES 2760,1150 r270 top value=100
R28 "Resistor" 2512-RES 1445.71,1729.99 r0 top value=123
R29 "Resistor" 2512-RES 645.71,1730 r0 top value=123
R30 "Resistor" 0603-RES 1905.71,1760 r270 top value=10k
R31 "Resistor" 0603-RES 3825.71,1789.99 r180 top value=600
R32A "Resistor" 0603-RES 4903.46,2440 r270 top value=37k (schematic designator R32)
R32B "Resistor" 0603-RES 11585,3933.94 r180 top value=37k (schematic designator R32)
R33A "Resistor" 0603-RES 5023.46,2440 r90 top value=82k (schematic designator R33)
R33B "Resistor" 0603-RES 11585,3813.94 r0 top value=82k (schematic designator R33)
R34 "Resistor" 0603-RES 4900,2940 r270 top value=10.3k
R35 "Resistor" 0603-RES 5030,2940 r90 top value=6.2k
R36A "Resistor" 0603-RES 4903.46,3480 r270 top value=10k (schematic designator R36)
R36B "Resistor" 0603-RES 11605,3047.6 r180 top value=10k (schematic designator R36)
R37A "Resistor" 0603-RES 5030,3480 r90 top value=3.3k (schematic designator R37)
R37B "Resistor" 0603-RES 11605,2921.06 r0 top value=3.3k (schematic designator R37)
R38A "Resistor" 0603-RES 6050,2480 r90 top value=60k (schematic designator R38)
R38B "Resistor" 0603-RES 7000,2480 r90 top value=60k (schematic designator R38)
R38C "Resistor" 0603-RES 6050,2980 r90 top value=60k (schematic designator R38)
R38D "Resistor" 0603-RES 7000,2980 r90 top value=60k (schematic designator R38)
R39A "Resistor" 0603-RES 6120,2480 r270 top value=5.2k (schematic designator R39)
R39B "Resistor" 0603-RES 7070,2480 r270 top value=5.2k (schematic designator R39)
R39C "Resistor" 0603-RES 6120,2980 r270 top value=5.2k (schematic designator R39)
R39D "Resistor" 0603-RES 7070,2980 r270 top value=5.2k (schematic designator R39)
R40A "Resistor" 0603-RES 5680,2480 r90 top value=5.3k (schematic designator R40)
R40B "Resistor" 0603-RES 6630,2480 r90 top value=5.3k (schematic designator R40)
R40C "Resistor" 0603-RES 5680,2980 r90 top value=5.3k (schematic designator R40)
R40D "Resistor" 0603-RES 6630,2980 r90 top value=5.3k (schematic designator R40)
R41A "Resistor" 0603-RES 5610,2480 r270 top value=60k (schematic designator R41)
R41B "Resistor" 0603-RES 6560,2480 r270 top value=60k (schematic designator R41)
R41C "Resistor" 0603-RES 5610,2980 r270 top value=60k (schematic designator R41)
R41D "Resistor" 0603-RES 6560,2980 r270 top value=60k (schematic designator R41)
R42 "Resistor" 0603-RES 3930,1006.54 r90 top value=1k
R43 "Resistor" 0603-RES 3930,870 r270 top value=10k
R44 "Resistor" 0603-RES 3973.46,1550 r0 top value=10k
R45 "Resistor" 0603-RES 3860,1330 r270 top value=10k
R46 "Resistor" 0603-RES 3830,280 r90 top value=0
R47 "Resistor" 0603-RES 4310,1570 r180 top value=10k
R48 "Resistor" 0603-RES 4280,1810 r180 top value=10k
R49 "Resistor" 0603-RES 4530,1430 r180 top value=240
R50 "Resistor" 0603-RES 4470,1570 r180 top value=10k
R51 "Resistor" 0603-RES 4500,1800 r0 top value=10k
R52 "Resistor" 0603-RES 4280,710 r90 top value=100
R53 "Resistor" 0603-RES 4270,280 r90 top value=0
R54 "Resistor" 0603-RES 4240,1190 r0 top value=330
R55 "Resistor" 0603-RES 4240,880 r0 top value=330
R56 "Resistor" 0603-RES 4500,980 r270 top value=5k
R57A "Resistor" 0603-RES 9350,1463.33 r0 top value=100 (schematic designator R57)
R57B "Resistor" 0603-RES 9350,2303.33 r0 top value=100 (schematic designator R57)
R58A "Resistor" 0603-RES 9350,1396.67 r0 top value=100 (schematic designator R58)
R58B "Resistor" 0603-RES 9350,2236.67 r0 top value=100 (schematic designator R58)
R59A "Resistor" 0603-RES 9810,1396.67 r180 top value=100 (schematic designator R59)
R59B "Resistor" 0603-RES 9810,2236.67 r180 top value=100 (schematic designator R59)
R60A "Resistor" 0603-RES 9810,1463.33 r180 top value=100 (schematic designator R60)
R60B "Resistor" 0603-RES 9810,2303.33 r180 top value=100 (schematic designator R60)